# Altium PCB PCB4.PcbDoc
Units mil, origin at the board's own origin, x right, y up, seen from the top; angles counter-clockwise.
Board outline 3145 x 3140 mil, 2 copper layers (Top Layer, Bottom Layer); 14 components, 17 nets, 69 pads, 0 vias.
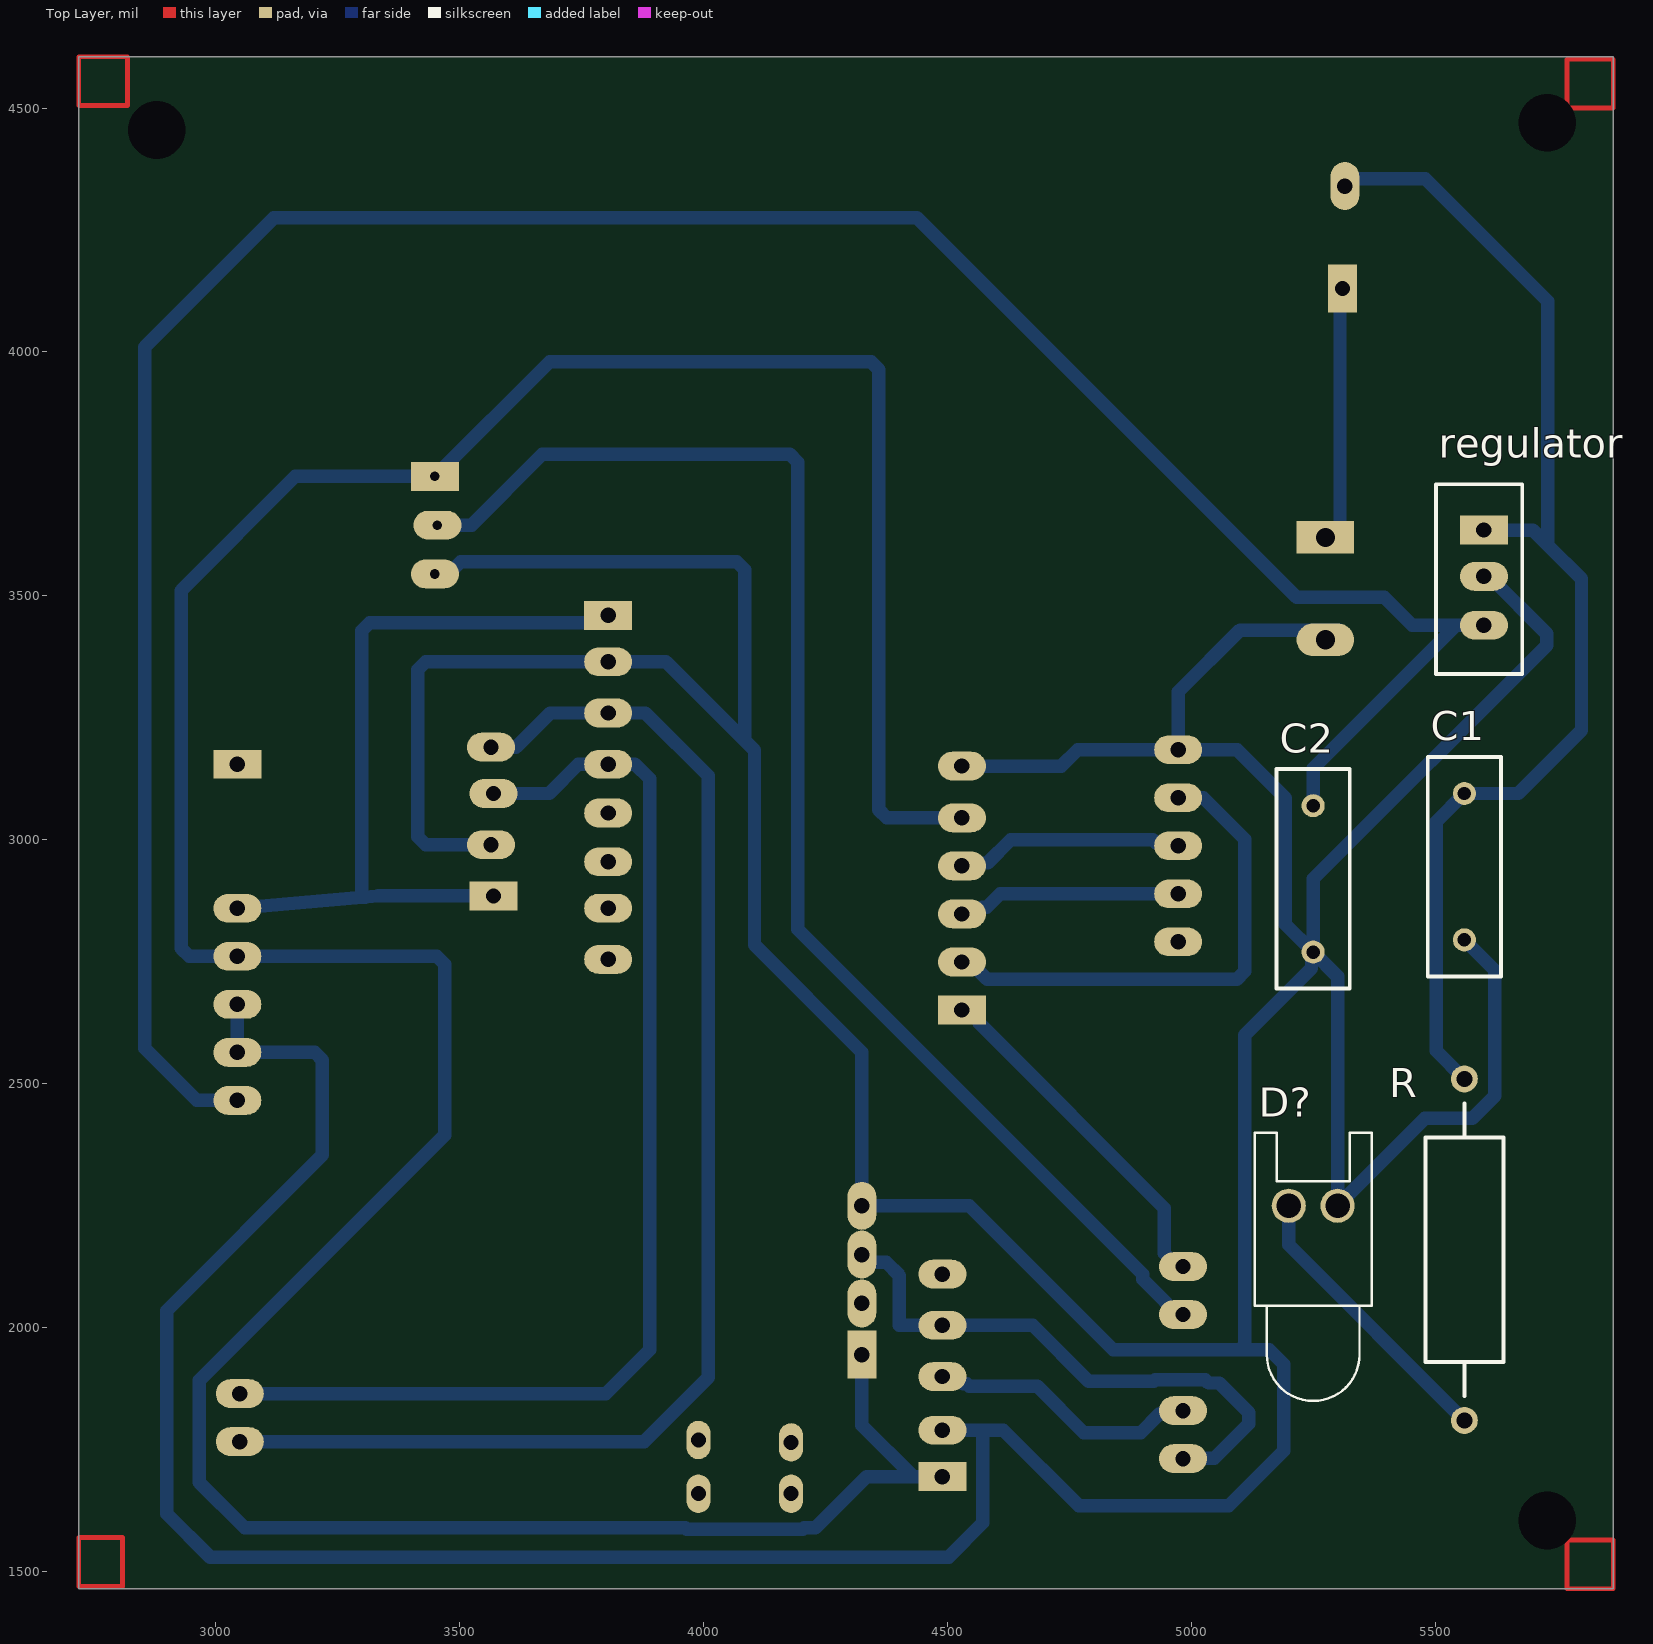
[diagram p0: Top Layer view]
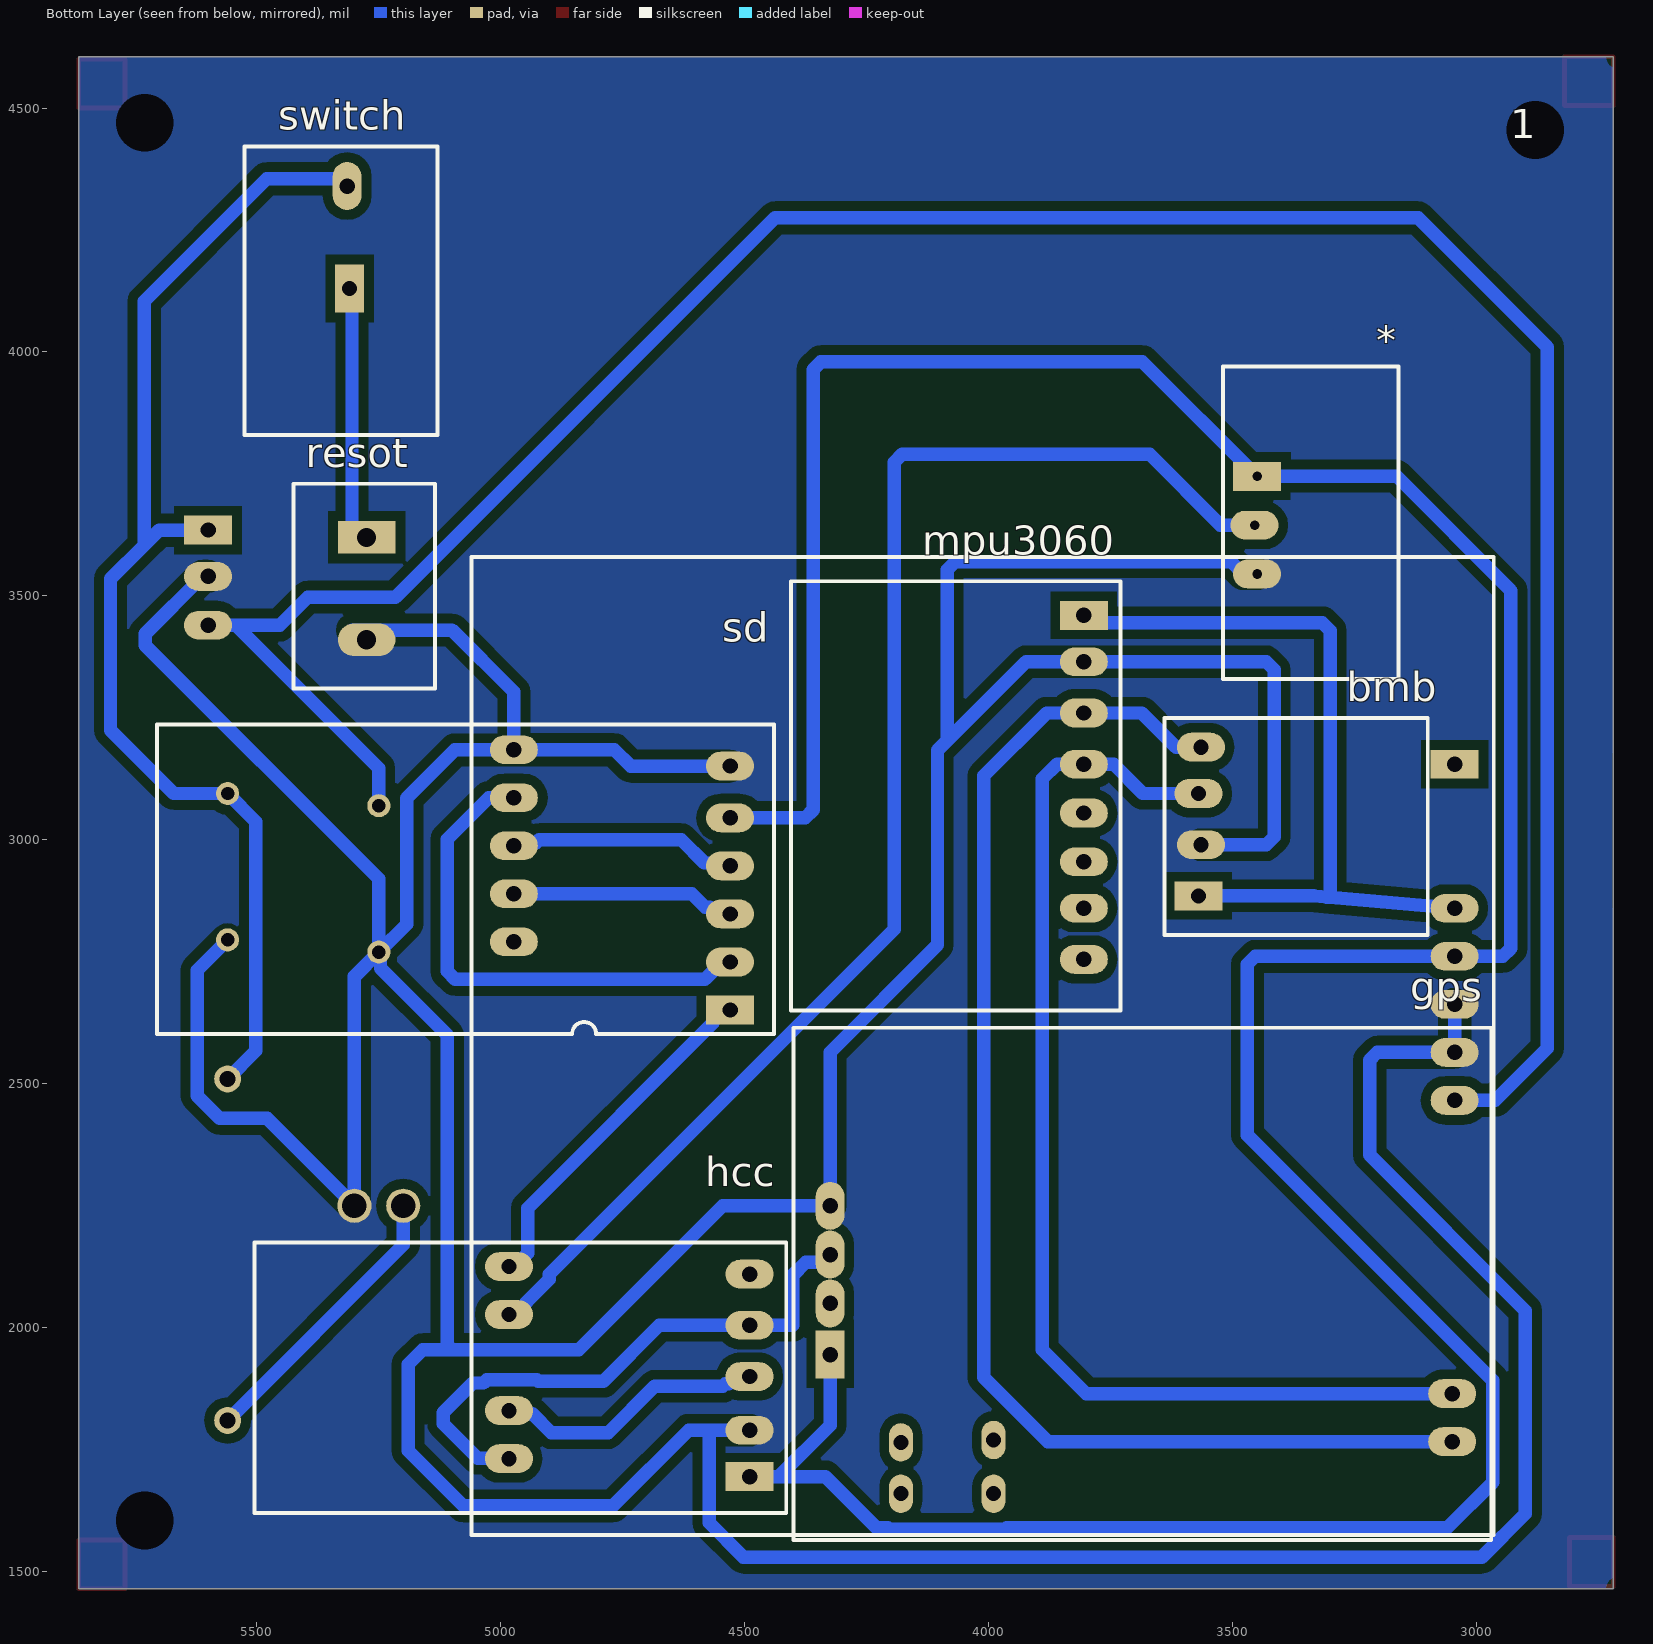
[diagram p1: Bottom Layer view, seen from below]
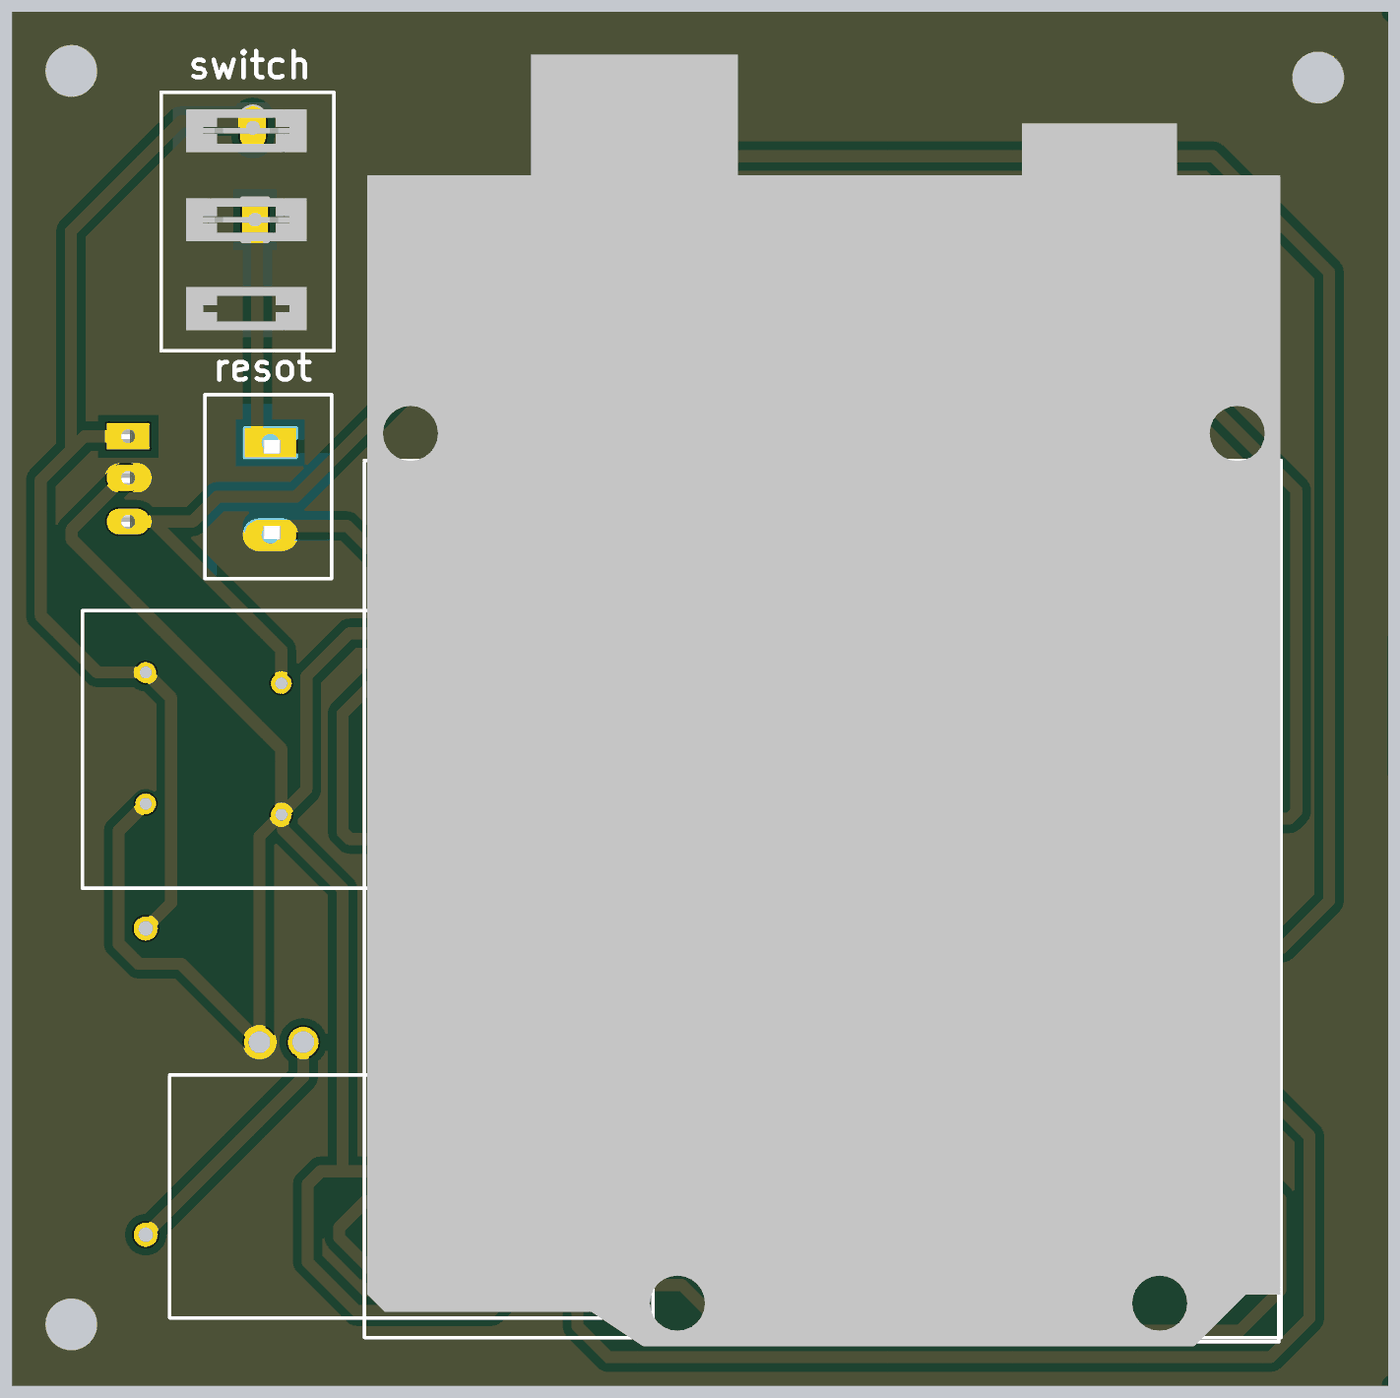
[diagram p2: 3D render of the assembled board from below, using the file's embedded part models]

## Layer stack, top to bottom
Top Solder: solder mask 0.4, Solder Resist, Dk 3.5
Top Layer: signal copper 1.4
Dielectric 1: dielectric 12.6, FR-4, Dk 4.8
Bottom Layer: signal copper 1.4
Bottom Solder: solder mask 0.4, Solder Resist, Dk 3.5

## Board outline
2720,1465 5865,1465 5865,4605 2720,4605

## Design rules (kind name [scope] priority, off if disabled: settings)
Clearance Clearance_2 [InNamedPolygon('NONET_L01_P000')] p1: gap=19.68 ignorepadtopadclearanceinfootprint=FALSE
Clearance Clearance_1 [InNamedPolygon('NONET_L01_P000')] p2: gap=19.68 ignorepadtopadclearanceinfootprint=FALSE
Clearance [All] p3: gap=19.68 ignorepadtopadclearanceinfootprint=FALSE
PolygonConnect [All] p1: connectstyle=Direct reliefconductorwidth=10 reliefentries=4 polygonreliefangle="90 Angle" airgapwidth=10
RoutingLayers [All] p1: top layer_v5=FALSE bottom layer_v5=TRUE
RoutingVias [All] p1: holewidth=28 width=50 viastyle="Through Hole" minholewidth=28 minwidth=50 maxholewidth=28 maxwidth=50
SolderMaskExpansion [All] p1: expansion=4 istentingtop=FALSE
Width [All] p1: maxlimit=27.56 minlimit=27.56 preferedwidth=27.56
29 further rules are at their usual default settings.

## Components (designator, comment, footprint, x,y, rotation, side; value= is the part's Value field where it differs from the comment)
1 "Arduino Uno" "Arduino Uno" 4060,3070 r180 bottom
* "dht" dht11.11 3700,3765 r180 bottom
bmb "bmb" "bmp - duplicate" 3465,2580 r0 bottom
C1 "Cap" RAD-0.3 5560,2945 r90 top value=22pF
C2 "Cap" RAD-0.3 5250,2920 r90 top value=1mF
D? "LED0" LED-0 5250,2250 r0 top
gps "gps*" GPS 3990,1795 r90 bottom
hcc "hcc" hc-12 4285,1585 r0 bottom
mpu3060 "mpu3060" "mpu 6050.11" 3990,3525 r180 bottom
R "Res Adj1" AXIAL-0.7 5560,2160 r90 top value=1K
regulator "regulator" regylator 5450,3635 r0 top
resot "roseta" roseta 5300,3560 r180 bottom
sd "sd" "sd - duplicate" 4530,2651.3 r0 bottom
switch "swit" switch 5430,3905 r90 bottom

## Footprints (in the part's own frame and the unit in brackets; to place one, negate y for a bottom-side part, rotate by r counter-clockwise, add the part's x,y. Pads: shape width x height; smd on the part's side, far side on the other; paste and mask are expansions set on the pad)
"Arduino Uno" [mm]
  rect 2.5x1.5 hole 0.8: 1(25.781,2.159)
  oval 2.5x1.5 hole 0.8: 4(25.781,-5.341) 5(25.781,-7.841) 6(25.781,-10.341) 7(25.781,-12.841) 8(25.781,-15.341) 13(25.654,-30.607) 14(25.654,-33.107) 23(-23.198,2.914) 24(-23.198,0.414) 25(-23.198,-2.086) 26(-23.198,-4.586) 27(-23.198,-7.086) 33(-23.452,-23.991) 34(-23.452,-26.491) 36(-23.452,-31.491) 37(-23.452,-33.991)
  oval 1.25x2 hole 0.787: 15(1.778,-33.02) 17(-3.048,-33.147) 18(1.778,-35.814) 38(-3.048,-35.814)
  silkscreen extent -25.4,-37.97 27.81,12.95, body extent -25.23,-38.48 27.77,36.52, height 11.6
AXIAL-0.7 [mm] "Axial Device, Thru-Hole; 2 Leads; 0.7 in Pin Spacing"
  round 1.4 hole 0.85: 1(-8.89,0) 2(8.89,0)
  silkscreen extent -7.62,-2.03 7.62,2.03
"bmp - duplicate" [mm]
  rect 2.5x1.5 hole 0.8: 1(2.667,-7.747)
  oval 2.5x1.5 hole 0.8: 2(2.54,-10.414) 3(2.667,-13.081) 4(2.54,-15.494)
  silkscreen extent -9.27,-17.02 4.44,-5.71, body extent -8.94,-16.78 3.86,-6.58, height 5.41
dht11.11 [mm]
  rect 2.5x1.5 hole 0.5: 1(6.35,-0.508)
  oval 2.5x1.5 hole 0.5: 2(6.223,-3.048) 3(6.35,-5.588)
  silkscreen extent 4.57,-11.05 13.72,5.21, body extent 5.22,-10.79 13.72,5.21, height 4.21
GPS [mm]
  rect 2.5x1.5 hole 0.8: 1(3.81,8.509)
  oval 2.5x1.5 hole 0.8: 2(6.477,8.509) 3(9.017,8.509) 4(11.557,8.509)
  silkscreen extent -5.84,-25.91 20.83,10.41, body extent -5.51,-25.57 20.57,10.03
hc-12 [mm]
  rect 2.5x1.5 hole 0.8: 1(5.207,-2.794)
  oval 2.5x1.5 hole 0.8: 2(5.207,-5.207) 3(5.207,-8.001) 4(5.207,-10.668) 5(5.207,-13.335)
  silkscreen extent 3.3,-14.99 30.99,-0.89, body extent 5.01,-17.14 11.56,-1.14, height 0.2
LED-0 [mil] "LED; 2 Leads"
  round 70 hole 50: 1(50,0) 2(-50,0)
  silkscreen extent -120,-400 120,150
"mpu 6050.11" [mm]
  rect 2.5x1.5 hole 0.8: 1(4.699,-1.651)
  oval 2.5x1.5 hole 0.8: 2(4.699,-4.064) 3(4.699,-6.731) 4(4.699,-9.398) 5(4.699,-11.938) 6(4.699,-14.478) 7(4.699,-16.891) 8(4.699,-19.558)
  silkscreen extent -10.54,-22.22 6.6,0.13, body extent -9.91,-21.35 5.97,-0.24, height 1.01
RAD-0.3 [mm] "Radial Cap, Thru-Hole; 2 Leads; 0.3 in Pin Spacing"
  round 1.2 hole 0.7: 1(-3.81,0) 2(3.81,0)
  silkscreen extent -5.71,-1.91 5.71,1.91
regylator [mm]
  rect 2.5x1.5 hole 0.8: 1(3.81,0)
  oval 2.5x1.5 hole 0.8: 2(3.81,-2.413) 3(3.81,-4.953)
  silkscreen extent 1.31,-7.49 5.81,2.39, body extent 1.31,-7.51 5.81,2.39, height 29.03
roseta [mm]
  rect 3x1.7 hole 1: 1(0.635,1.524)
  oval 3x1.7 hole 1: 2(0.635,-3.81)
  silkscreen extent -3.18,-6.35 4.19,4.32, body extent -3.28,-6.19 4.32,4.41, height 5
"sd - duplicate" [mm]
  rect 2.5x1.5 hole 0.8: 1(0,0)
  oval 2.5x1.5 hole 0.8: 2(0,-2.5) 3(0,-5) 4(0,-7.5) 5(0,-10) 6(0,-12.7)
  silkscreen extent -2.29,-14.86 29.84,1.25, body extent -0.09,-18.41 7.21,5.58, height 2.55
switch [mm]
  rect 2.5x1.5 hole 0.8: 1(5.715,-3.048)
  oval 2.5x1.5 hole 0.8: 2(11.049,-2.921)
  silkscreen extent -1.91,-7.62 13.11,2.41, body extent -1.79,-7.54 13.22,2.46, height 7

## Part data
bmb: library part bmp, catagorr=bmp
C1 C2: "Capacitor", LatestRevisionDate=17-Jul-2002, LatestRevisionNote="Re-released for DXP Platform.", PackageDescription="Radial Cap, Thru-Hole; 2 Leads; 0.3 in Pin Spacing", PackageReference=RAD-0.3, Published=8-Jun-2000, Publisher="Altium Limited"
D?: "Typical INFRARED GaAs LED", LatestRevisionDate=08-Jul-2005, LatestRevisionNote="Mech Layer 1 removed.", PackageDescription="LED; 2 Leads", PackageReference=LED-0, Published=8-Jun-2000, Publisher="Altium Limited"
gps: library part gps.neo.6m, gps=gps
hcc: library part "hc 12", hcc=hcc
mpu3060: library part mpu, categore=mpu3060
R: "Variable Resistor", LatestRevisionDate=17-Jul-2002, LatestRevisionNote="Re-released for DXP Platform.", PackageDescription="Axial Device, Thru-Hole; 2 Leads; 0.7 in Pin Spacing", PackageReference=AXIAL-0.7, Published=8-Jun-2000, Publisher="Altium Limited", Set Position=0.5
1: Category=microcontroller
*: catagory=dht11.11
sd: sd=sd

## Free pads (board coordinates)
  round 60 hole 118.11: 3(2880,4455) 4(5730,4470) 5(5730,1605)

## Nets (pads, with @x,y where several pads share a name; then routed paths per layer and width w, separated by ;. In a path a pad name is that pad's centre, name@x,y a point inside that pad or via, vN(x,y) a via of type N, cw(c..) or ccw(c..) an arc to the next point about the centre after c; other vN are vias at no path point)
3.3v: 1.4 bmb.1 mpu3060.1 | length 1593.2
  Bottom Layer w27.56: 1.4 3300.69,2882.14 3333.28,2885 bmb.1 ; 3307.28,2882.72 3300,2890 3300,3428.86 3316.14,3445 3790,3445 mpu3060.1
5v: 1.5 *.1 gps.1 hcc.1 sd.5 | length 7168.6
  Bottom Layer w27.56: gps.1 4325,1800 4430,1695 ; hcc.1 4430,1695 ; sd.5 4376.14,3045 4360,3061.14 4360,3963.86 4343.86,3980 3685,3980 *.1 3164,3745 2930,3511 2930,2777.44 2946.14,2761.3 1.5 3453.86,2761.3 3470,2745.16 3470,2395 2967,1892 2967,1683 3060,1590 3963.11,1590 3965.95,1587.17 4204.05,1587.17 4206.89,1590 4230,1590 4335,1695 4430,1695
cs: 1.33 sd.1 | length 731.7
  Bottom Layer w27.56: sd.1 4549.69,2651.3 4565.43,2635.55 4565.43,2624.57 4945,2245 4945,2152.6 4972.13,2125.47 1.33
GND: 1.6 1.7 1.23 *.3 bmb.2 C1.1 C2.1 D?.1 gps.4 hcc.2 mpu3060.2 pad.3 pad.4 pad.5 regulator.2 resot.2 sd.6 | length 13323.2
  Bottom Layer w27.56: 1.6 1.7 3203.3,2564.45 3219.45,2548.3 3219.45,2354.45 2900,2035 2900,1619 2989,1530 4503,1530 4573,1600 4573,1790 ; *.3 3478.21,3545 3503.21,3570 4068.86,3570 4085,3553.86 4085,3203.49 ; bmb.2 3431.14,2990 3415,3006.14 3415,3348.86 3431.14,3365 mpu3060.2 3923.49,3365 4085,3203.49 ; hcc.2 4573,1790 ; sd.6 4734,3151.3 4767.42,3184.72 1.23 ; resot.2@5305,3430 5100,3430 4973.29,3303.29 1.23 ; C1.1 5622,2733 5622,2475 5576,2429 5479,2429 D?.1 5300,2720 C2.1 ; regulator.2 5611.16,3540 5729.17,3422 5729.17,3399.17 5250,2920 C2.1 ; 4085,3203.49 4105,3183.49 4105,2785 4325,2565 gps.4 4545,2250 4840,1955 5100,1955 ; 4573,1790 4615,1790 4770,1635 5077,1635 5190,1748 5190,1925 5160,1955 5110,1955 5100,1955 ; 1.23 5094,3184.72 5192.91,3085.81 5192.91,2827.09 C2.1 ; 5100,1955 5110,1965 5110,2600 5246.62,2736.62 5246.62,2766.62 C2.1
miso: 1.25 sd.4 | length 470.4
  Bottom Layer w27.56: sd.4 4536.03,2952.6 4582.6,2952.6 4630,3000 4921.71,3000 4927.81,2993.9 4967.26,2993.9 1.25
mosi: 1.26 sd.3 | length 460.4
  Bottom Layer w27.56: sd.3 4558.21,2848.15 4571.88,2861.82 4581.12,2861.82 4608.74,2889.45 1.26
NetD?_2: D?.2 R.1 | length 589.1
  Bottom Layer w27.56: D?.2 5200,2170 R.1
Netresot_1: resot.1 switch.1 | length 486.7
  Bottom Layer w27.56: resot.1@5305,3640 switch.1@5305,4126.74
"pin =3": 1.34 *.2 | length 2885.9
  Bottom Layer w27.56: *.2 3525,3645 3670,3790 4177.68,3790 4193.83,3773.86 4193.83,2816.51 4900.61,2109.73 4900.61,2099.38 4947.85,2052.14 4947.85,2051.32 4972.13,2027.05 1.34
rx: 1.37 gps.3 hcc.4 | length 1185.5
  Bottom Layer w27.56: gps.3 4325,2134 4375,2134 4402,2107 4402,2005 hcc.4 4675,2005 4790,1890 4922.83,1890 4926.02,1893.19 5029.07,1893.19 5035.44,1886.81 5057.19,1886.81 5117.7,1826.3 5117.7,1803.47 5047.04,1732.81 4984.33,1732.81 1.37
sck: 1.24 sd.2 | length 1044.1
  Bottom Layer w27.56: sd.2 4546.15,2749.72 4581.58,2714.29 5093.86,2714.29 5110,2730.44 5110,3001.3 5025,3086.3 1.24
scl: 1.14 bmb.4 mpu3060.3 | length 2775
  Bottom Layer w27.56: 1.14 3878.57,1766.57 4010,1898 4010,3131.24 3881.24,3260 mpu3060.3 3686,3260 3616,3190 bmb.4
sda: 1.13 bmb.3 mpu3060.4 | length 2404.6
  Bottom Layer w27.56: 1.13 3800,1865 3890,1955 3890,3125 3860,3155 mpu3060.4 3744,3155 3684,3095 bmb.3
ss: 1.27
tx: 1.36 hcc.3 | length 559.6
  Bottom Layer w27.56: hcc.3 4518.21,1900 4533.1,1885.11 4539.89,1885.11 4545,1880 4685,1880 4780,1785 4896.71,1785 4935.88,1824.17 4977.26,1824.17 1.36
vin: 1.8 C2.2 regulator.3 | length 5363.3
  Bottom Layer w27.56: 1.8 2962,2466.02 2855,2573.02 2855,4010 3120,4275 4438,4275 5216,3497 5396,3497 5453,3440 5543,3440 ; C2.2 5250,3147 5543,3440 ; regulator.3 5543,3440
Vins: C1.2 R.2 regulator.1 switch.2 | length 2470.4
  Bottom Layer w27.56: switch.2@5342.89,4355 5480,4355 5731,4104 5731,3604 ; R.2 5502,2568 5502,3037 C1.2 5670,3095 5800,3225 5800,3535 5731,3604 ; regulator.1 5700,3635 5731,3604
pads on no net: 1.1 1.15 1.17 1.18 1.38 gps.2 hcc.5 mpu3060.5 mpu3060.6 mpu3060.7 mpu3060.8
copper on no net: | length 1560
  Top Layer w10: 2720,1470 2810,1470 2810,1570 2720,1570 2720,1470 ; 2720,4505 2820,4505 2820,4605 2720,4605 2720,4505 ; 5770,1465 5865,1465 5865,1565 5770,1565 5770,1465 ; 5770,4500 5865,4500 5865,4600 5770,4600 5770,4500

## Polygon pours and split planes (outlines as drawn)
GND on Bottom Layer "GND_L02_P000" (solid, remove dead copper, pour order 0): 2720,1465 5865,1465 5865,4605 2720,4605